# Altium PCB 电解模块主控板_V1.1_ZM_20211015.PcbDoc (part 3 of 3)
Units mil, origin at the board's own origin, x right, y up, seen from the top; angles counter-clockwise.
Board outline 5915.54 x 3947.37 mil, 2 copper layers (Top Layer, Bottom Layer); 222 components, 167 nets, 677 pads, 2045 vias.
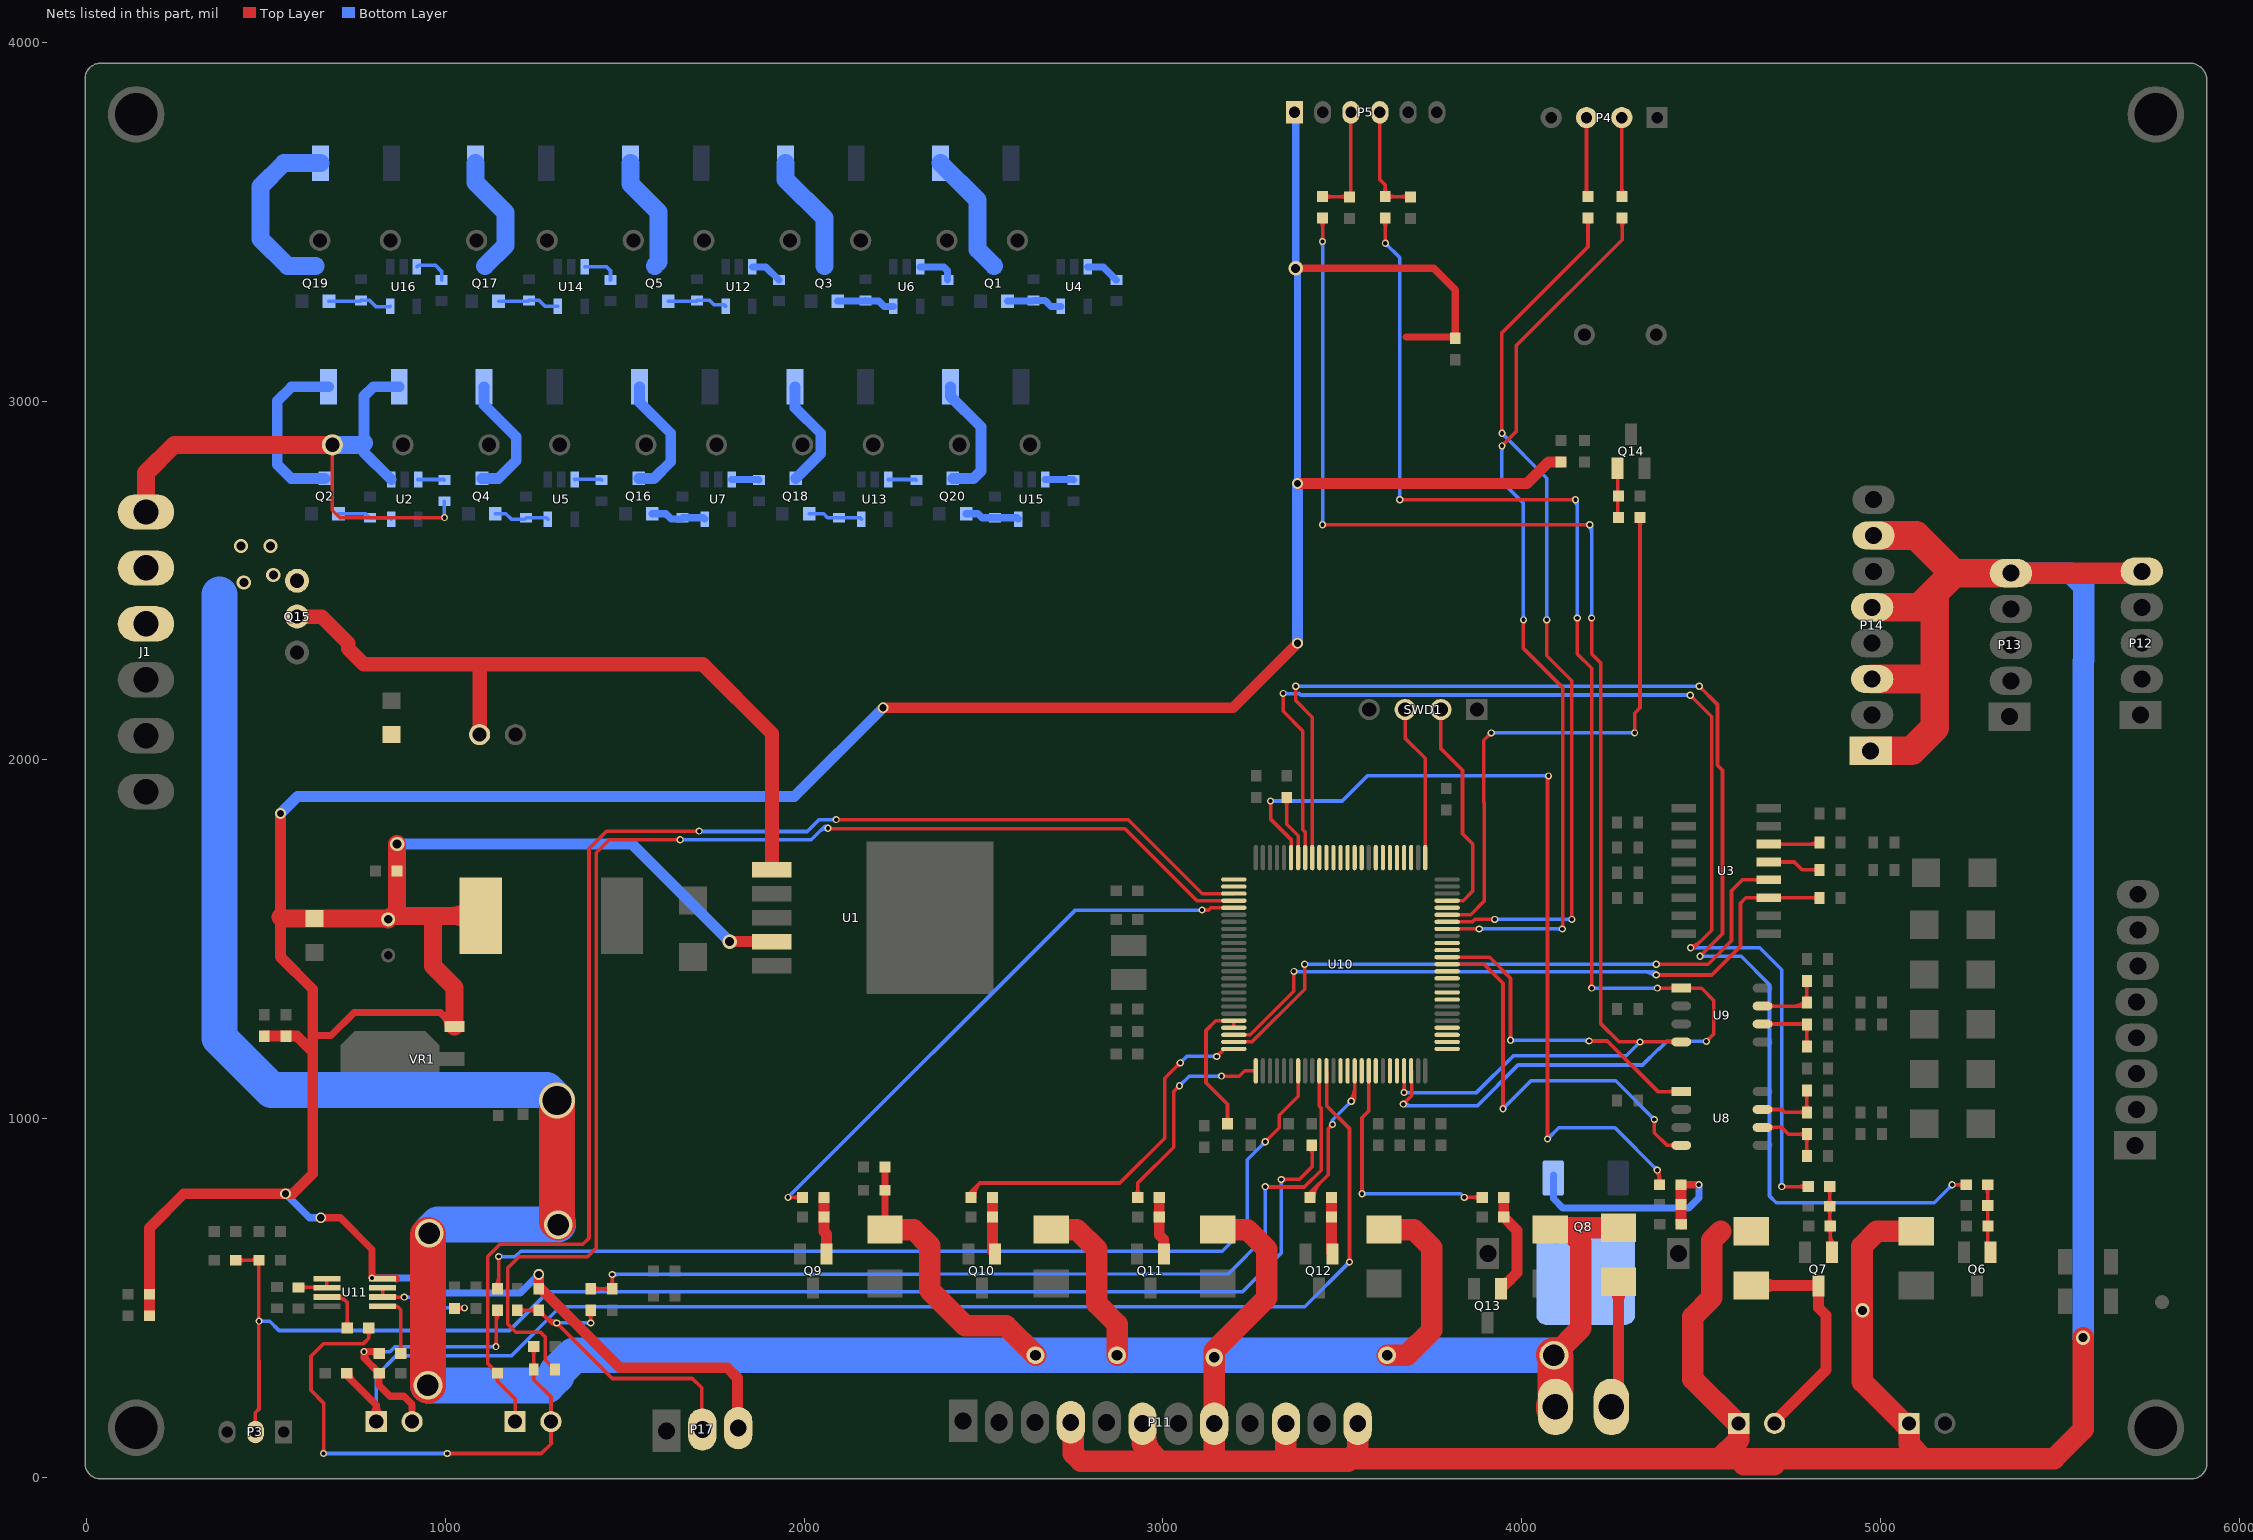
[diagram p3: the nets of this part, all layers, seen from the top]

## Via types
v1: diameter 30, hole 20, Top Layer to Bottom Layer, tented both sides, 1838 vias
v2: diameter 20, hole 12, Top Layer to Bottom Layer, tented both sides, 135 vias
v3: diameter 40, hole 25, Top Layer to Bottom Layer, tented both sides, 63 vias
v4: diameter 80, hole 60, Top Layer to Bottom Layer, tented both sides, 4 vias
v5: diameter 50, hole 30, Top Layer to Bottom Layer, tented both sides, 4 vias
v6: diameter 100, hole 80, Top Layer to Bottom Layer, tented both sides, 1 vias

## Nets (pads, with @x,y where several pads share a name; then routed paths per layer and width w, separated by ;. In a path a pad name is that pad's centre, name@x,y a point inside that pad or via, vN(x,y) a via of type N, cw(c..) or ccw(c..) an arc to the next point about the centre after c; other vN are vias at no path point) (continued)
NetD7_1: D7.1 P9.2 Q7.3 | length 731.8
  Top Layer w30: D7.1@4640,534.61 4825.65,534.61 Q7.3@4827.5,532.76 4827.5,472.5 4848.75,451.25 4848.75,298.75 4705,155 P9.2@4705,150 ; D7.1@4667.07,517.37 cw(c4708.68,475.77) 4708.68,534.61 cw(c4708.68,593.44) D7.1@4667.07,551.84
NetD8_1: D8.1 P10.2 Q8.3 | length 510.4
  Top Layer w30: P10.2@4225,155 4225,204 4270,249 D8.1@4270,544.61 D8.1@4276.85,537.76 ; D8.1@4252.77,527.37 cw(c4211.17,485.77) 4270,485.77 cw(c4328.83,485.77) D8.1@4287.23,527.37
NetL3_2: L3.2 U10.21 U10.22 | length 431.6
  Top Layer w10: L3.2@3172.93,992.82 ccw(c3155.86,1009.89) 3180,1009.89 ccw(c3204.14,1009.89) L3.2@3187.07,992.82 ; L3.2@3180,985 3180,1040 3120,1100 3120,1245 3147.52,1272.52 U10.21@3197.76,1272.52 U10.22@3197.76,1252.83
NetP1_1: P1.1 TVS5.2 U10.36 | length 3834.1
  Top Layer w10: U10.36@3455.63,1132.76 3457,1131.39 3457,1035 3520,972 v2(3520,600) ; v2@3516.46,603.54 ccw(c3507.93,612.07) 3520,612.07 ccw(c3532.07,612.07) v2@3523.54,603.54
  Top Layer w20: TVS5.2@725,290 725,283 807,201 ; TVS5.2@730.75,290 ccw(c761.52,290) 739.76,268.24 ; P1.1@793.44,169.05 ccw(c762.59,201) 807,201 ; P1.1@807,155 807,201 ; P1.1@820.56,169.05 cw(c851.41,201) 807,201
  Bottom Layer w10: P1.1@807,155 807,283 862,338 1183,338 1320,475 3395,475 v2(3520,600) ; v2@3515,600 cw(c3502.93,600) 3511.46,591.46 cw(c3520,582.93) v2@3520,595
NetP1_2: P1.2 R14.2 R16.1 TVS6.2 | length 945.9
  Top Layer w10: v2@1137.46,367.54 ccw(c1128.93,376.07) 1141,376.07 ccw(c1153.07,376.07) v2@1144.54,367.54 ; R14.2@1137.93,457.18 cw(c1130.51,449.77) R14.2@1141,449.77 ; v2(1141,364) 1141,461 R14.2@1145,465 ; 1141,430.45 cw(c1178.8,430.45) R14.2@1152.07,457.18
  Top Layer w20: 785.73,319.27 cw(c816.46,350) v2(773,350) ; 790.11,350 cw(c790.11,320.86) R16.1@810.72,341.46 ; R16.1@815,345 810,350 v2(773,350) ; P1.2@907,155 907,203 884.5,225.5 845.15,225.5 815,255.65 TVS6.2@815,290 773,332 v2(773,350)
  Bottom Layer w10: v2(773,350) 845,350 859,364 v2(1141,364) ; v2@776.54,346.46 cw(c785.07,337.93) 785.07,350 cw(c785.07,362.07) v2@776.54,353.54 ; v2@1137.46,360.46 ccw(c1128.93,351.93) 1128.93,364 ccw(c1128.93,376.07) v2@1137.46,367.54
NetP2_1: P2.1 TVS7.2 U10.3 | length 3902.4
  Top Layer w10: TVS7.2@1138.18,282.69 cw(c1123.55,267) 1145,267 ; TVS7.2@1151.82,282.69 ccw(c1166.45,267) 1145,267 ; P2.1@1194,155 1194,218 1145,267 ; v2@1703.46,1797.46 ccw(c1694.93,1788.93) 1694.93,1801 ccw(c1694.93,1813.07) v2@1703.46,1804.54 ; v2(1707,1801) 1449,1801 1400,1752 1400,666 1383,649 1152,649 1118,615 1118,317 TVS7.2@1145,290 1145,267 ; v2(2089,1833) 2903,1833 3109.15,1626.85 U10.3@3197.76,1626.85 ; v2@2092.54,1829.46 cw(c2101.07,1820.93) 2101.07,1833 cw(c2101.07,1845.07) v2@2092.54,1836.54
  Bottom Layer w10: v2(1707,1801) 1708,1800 2008,1800 2041,1833 v2(2089,1833) ; v2@1710.54,1804.54 ccw(c1721.49,1815.49) 1721.49,1800 ; v2@2085.46,1829.46 ccw(c2076.93,1820.93) 2076.93,1833 ccw(c2076.93,1845.07) v2@2085.46,1836.54
NetP2_2: P2.2 R23.2 R25.1 TVS12.2 | length 1652.2
  Top Layer w10: v2@656.46,69.54 ccw(c647.93,78.07) 660,78.07 ccw(c672.07,78.07) v2@663.54,69.54 ; v2(660,66) 660,207 625,242 625,337 660.5,372.5 771.5,372.5 786,387 R25.1@786,416 ; R25.1@778.93,408.93 cw(c761.86,391.86) 786,391.86 cw(c810.14,391.86) R25.1@793.07,408.93 ; v2(1005,66) 1267,66 1296,95 1294,97 P2.2@1294,155 1294,223.94 1245.94,272 R23.2@1245.94,300 ; v2@1008.54,62.46 cw(c1017.07,53.93) 1017.07,66 cw(c1017.07,78.07) v2@1008.54,69.54 ; TVS12.2@1238.93,356.93 cw(c1221.86,339.86) 1246,339.86 cw(c1270.14,339.86) TVS12.2@1253.07,356.93 ; R23.2@1239.74,290.84 cw(c1224.75,275.85) 1245.94,275.85 cw(c1267.14,275.85) R23.2@1252.15,290.84 ; R23.2@1239.74,309.16 ccw(c1224.62,324.28) 1246,324.28 ; R23.2@1246,300 TVS12.2@1246,364 ; 1246,324.02 ccw(c1267.01,324.02) R23.2@1252.15,309.16
  Bottom Layer w10: v2(660,66) v2(1005,66) ; v2@663.54,62.46 cw(c672.07,53.93) 672.07,66 cw(c672.07,78.07) v2@663.54,69.54 ; v2@1001.46,62.46 ccw(c992.93,53.93) 992.93,66 ccw(c992.93,78.07) v2@1001.46,69.54
NetP3_2: P3.2 R6.2 R8.1 TVS2.2 | length 4016.2
  Top Layer w10: TVS2.2@415,605 R6.2@480,605 479,604 479,326.16 480,325.16 480,190 470,180 P3.2@470,126 ; TVS2.2@422.82,597.93 cw(c439.89,580.86) 439.89,605 cw(c439.89,629.14) TVS2.2@422.82,612.07 ; 455.11,605 ccw(c455.11,629.14) R6.2@472.18,612.07 ; v2(3330,830) 3380,830 3416,866 3416,924 R8.1@3415,925 ; v2@3333.54,826.46 cw(c3342.07,817.93) 3342.07,830 cw(c3342.07,842.07) v2@3333.54,833.54 ; R8.1@3407.93,917.18 cw(c3388.44,897.7) 3416,897.7 ; 3416,902.52 cw(c3436.73,902.52) R8.1@3422.07,917.18
  Bottom Layer w10: v2(480,435) 510,435 536,409 1178.5,409 1287,517.5 3222.5,517.5 3330,625 v2(3330,830) ; v2@483.54,431.46 cw(c492.07,422.93) 492.07,435 cw(c492.07,447.07) v2@483.54,438.54 ; v2@3326.46,826.46 cw(c3317.93,817.93) 3330,817.93 cw(c3342.07,817.93) v2@3333.54,826.46
NetP4_2: P4.2 R11.1 | length 258.2
  Top Layer w10: R11.1@4272.93,3577.82 ccw(c4257.76,3592.99) 4279.21,3592.99 ; 4279.21,3596.79 ccw(c4306.04,3596.79) R11.1@4287.07,3577.82 ; P4.2@4279.21,3790 4279.21,3570.79 R11.1@4280,3570
NetP4_3: P4.3 R9.1 | length 221.7
  Top Layer w10: P4.3@4180.79,3790 4180.79,3574.21 R9.1@4185,3570
NetP5_3: P5.3 R10.1 TVS3.2 | length 388.7
  Top Layer w10: R10.1@3445,3570 3519,3570 TVS3.2@3520,3569 3524.04,3573.04 P5.3@3524.04,3804.75 ; R10.1@3452.07,3562.93 cw(c3469.14,3545.86) 3469.14,3570 cw(c3469.14,3594.14) R10.1@3452.07,3577.07 ; 3495.25,3570 cw(c3495.25,3545) TVS3.2@3512.93,3562.68 ; 3496.47,3570 ccw(c3496.47,3593.28) TVS3.2@3512.93,3576.82
NetP5_4: P5.4 R12.1 TVS4.2 | length 425.3
  Top Layer w10: P5.4@3604.75,3804.75 3604.75,3617.46 3619.21,3603 3619.21,3570.79 R12.1@3620,3570 3689,3570 TVS4.2@3690,3569 ; R12.1@3612.93,3577.82 ccw(c3597.76,3592.99) 3619.21,3592.99 ; 3619.21,3596.79 ccw(c3646.04,3596.79) R12.1@3627.07,3577.82 ; R12.1@3627.07,3562.93 cw(c3644.14,3545.86) 3644.14,3570 cw(c3644.14,3594.14) R12.1@3627.07,3577.07 ; 3665.25,3570 cw(c3665.25,3545) TVS4.2@3682.93,3562.68 ; 3666.47,3570 ccw(c3666.47,3593.28) TVS4.2@3682.93,3576.82
NetP17_2: P17.2 R19.1 R50.2 TVS11.2 | length 1124.8
  Top Layer w10: TVS11.2@1200,465 R50.2@1260,465 1295,430 v2(1310,430) 1465,275 1688,275 1714,249 P17.2@1714,161.06 ; TVS11.2@1207.07,457.93 cw(c1224.14,440.86) 1224.14,465 cw(c1224.14,489.14) TVS11.2@1207.07,472.07 ; R50.2@1252.93,457.93 ccw(c1235.86,440.86) 1235.86,465 ccw(c1235.86,489.14) R50.2@1252.93,472.07 ; R50.2@1260,454.25 cw(c1260,428.3) 1278.35,446.65 ; R50.2@1270,464.25 ccw(c1292.34,464.25) 1276.54,448.46 ; 1275.86,449.14 ccw(c1310,483.28) v2@1310,435 ; 1292.93,432.07 ccw(c1310,449.14) 1310,425 cw(c1310,412.93) 1318.54,421.46 cw(c1327.07,430) v2@1315,430 ; v2@1306.46,426.46 ccw(c1297.93,417.93) 1297.93,430 ccw(c1297.93,442.07) v2@1306.46,433.54 ; R19.1@1397.93,457.18 cw(c1380.86,440.11) 1405,440.11 cw(c1429.14,440.11) R19.1@1412.07,457.18 ; v2@1401.46,433.54 ccw(c1392.93,442.07) 1405,442.07 ccw(c1417.07,442.07) v2@1408.54,433.54 ; v2(1405,430) R19.1@1405,465
  Bottom Layer w10: v2(1310,430) v2(1405,430) ; v2@1313.54,426.46 cw(c1322.07,417.93) 1322.07,430 cw(c1322.07,442.07) v2@1313.54,433.54 ; v2@1401.46,426.46 ccw(c1392.93,417.93) 1392.93,430 ccw(c1392.93,442.07) v2@1401.46,433.54
NetQ1_1: Q1.1 R28.1 U4.5 | length 156.9
  Bottom Layer w20: Q1.1@2566.4,3278.53 2637.11,3278.53 R28.1@2639,3280.41 2671.59,3280.41 2688.24,3263.76 U4.5@2715.6,3263.76
NetQ1_3: Q1.3 R1.2 | length 347.7
  Bottom Layer w50: R1.2@2380.15,3663 2483,3560.15 2483,3422.95 Q1.3@2529,3376.95
NetQ2_1: Q2.1 R29.1 U2.5 | length 153.3
  Bottom Layer w10: Q2.1@701.4,2685.79 777.89,2685.79 R29.1@789,2674.67 844.95,2674.67 U2.5@848.6,2671.02
NetQ2_3: Q2.3 R13.2 | length 485.8
  Bottom Layer w30: Q2.3@664,2784.21 569.79,2784.21 531,2823 531,3000 571,3040 R13.2@674.15,3040
NetQ3_1: Q3.1 R66.1 U6.5 | length 162.2
  Bottom Layer w20: Q3.1@2093.55,3278.53 2168.36,3278.53 R66.1@2170.25,3280.41 2171.66,3279 2208,3279 2223.24,3263.76 U6.5@2248.1,3263.76
NetQ3_3: Q3.3 R30.2 | length 330.8
  Bottom Layer w50: R30.2@1948.11,3663 1948.11,3617.89 2056.15,3509.85 Q3.3@2056.15,3376.95
NetQ4_1: Q4.1 R67.1 U5.5 | length 155.9
  Bottom Layer w10: Q4.1@1138.9,2685.79 1168.21,2685.79 1183,2671 1221.08,2671 R67.1@1224.75,2674.67 1281.95,2674.67 U5.5@1285.6,2671.02
NetQ4_3: Q4.3 R53.2 | length 359.1
  Bottom Layer w30: Q4.3@1101.5,2784.21 1147.21,2784.21 1197,2834 1197,2900 1107.61,2989.39 R53.2@1107.61,3040
NetQ5_1: Q5.1 R89.1 U12.5 | length 167.6
  Bottom Layer w10: Q5.1@1620.7,3278.53 1699.61,3278.53 R89.1@1701.5,3280.41 1736.59,3280.41 1748,3269 1775.36,3269 U12.5@1780.6,3263.76
NetQ5_3: Q5.3 R68.2 | length 322.8
  Bottom Layer w50: R68.2@1516.07,3663 1516.07,3604.93 1594,3527 1594,3387.65 Q5.3@1583.3,3376.95
NetQ6_1: Q6.1 R31.1 R34.1 TVS8.2 | length 229.2
  Top Layer w10: R31.1@5291.93,807.93 cw(c5274.86,790.86) 5299,790.86 cw(c5323.14,790.86) R31.1@5306.07,807.93 ; R31.1@5299,815 R34.1@5299,757.5 5299,635.65 Q6.1@5307.4,627.24
NetQ7_1: Q7.1 R32.1 R35.1 TVS9.2 | length 435.7
  Top Layer w10: R35.1@4851.93,747.93 cw(c4834.86,730.86) 4859,730.86 cw(c4883.14,730.86) R35.1@4866.07,747.93 ; R35.1@4851.93,762.07 ccw(c4834.86,779.14) 4859,779.14 ccw(c4883.14,779.14) R35.1@4866.07,762.07 ; R32.1@4851.93,802.93 cw(c4834.86,785.86) 4859,785.86 cw(c4883.14,785.86) R32.1@4866.07,802.93 ; TVS9.2@4852.18,707.07 ccw(c4835.72,723.53) 4859,723.53 ; TVS9.2@4852.93,692.93 cw(c4835.86,675.86) 4860,675.86 cw(c4884.14,675.86) TVS9.2@4867.07,692.93 ; Q7.1@4856.61,648.34 ccw(c4848.41,656.53) Q7.1@4860,656.53 ; 4859,724.75 ccw(c4884,724.75) TVS9.2@4866.32,707.07 ; R32.1@4859,810 R35.1@4859,755 4859,701 TVS9.2@4860,700 4860,632.15 Q7.1@4864.9,627.24 ; Q7.1@4860,656.05 ccw(c4880.92,656.05) Q7.1@4866.13,641.26 ; 4860,680.2 ccw(c4905.06,680.2) Q7.1@4873.2,648.34
NetQ8_1: Q8.1 R33.1 R36.1 TVS10.2 | length 691.1
  Top Layer w20: R33.1@4444,815 v2(4494,815)
  Top Layer w30: R33.1@4444,815 R36.1@4444,760 4444,706 TVS10.2@4445,705
  Bottom Layer w20: Q8.1@4088.45,842.65 4088.45,776.55 4115,750 4465,750 4494,779 v2(4494,815)
NetQ9_1: Q9.1 R37.1 R42.1 | length 160.8
  Top Layer w30: R37.1@2055,780 R42.1@2055,725 2055,685 2062.4,677.6 Q9.1@2062.4,622.24
NetQ10_1: Q10.1 R38.1 R43.1 | length 184
  Top Layer w30: 2525,657.09 ccw(c2554.45,657.09) Q10.1@2533.63,636.26 ; R38.1@2525,780 R43.1@2525,725 2525,629.65 Q10.1@2532.4,622.24
NetQ11_1: Q11.1 R39.1 R44.1 | length 162.9
  Top Layer w30: R39.1@2990,780 R44.1@2990,725 2990,675 3002.4,662.6 Q11.1@3002.4,622.24
NetQ12_1: Q12.1 R40.1 R45.1 | length 158.8
  Top Layer w30: R40.1@3470,780 R45.1@3470,725 3470,624.65 Q12.1@3472.4,622.24
NetQ13_1: Q13.1 R41.1 R46.1 | length 316.1
  Top Layer w30: Q13.1@3942.4,525.24 3987,569.84 3987,688 R46.1@3950,725 R41.1@3950,780 ; Q13.1@3942.4,539.77 ccw(c3942.4,574.84) 3967.2,550.04
NetQ14_1: Q14.1 R57.2 R59.1 | length 138.8
  Top Layer w10: Q14.1@4267.6,2812.76 4267.6,2677.4 R57.2@4270,2675
NetQ16_1: Q16.1 R90.1 U7.5 | length 155.4
  Bottom Layer w20: Q16.1@1576.4,2685.79 1614.21,2685.79 1629,2671 1656.83,2671 R90.1@1660.5,2674.67 1718.95,2674.67 U7.5@1722.6,2671.02
NetQ16_3: Q16.3 R83.2 | length 353.4
  Bottom Layer w30: Q16.3@1539,2784.21 1581.21,2784.21 1628,2831 1628,2910 1541.07,2996.93 R83.2@1541.07,3040
NetQ17_1: Q17.1 R101.1 U14.5 | length 172.9
  Bottom Layer w10: Q17.1@1147.85,3278.53 1230.86,3278.53 R101.1@1232.75,3280.41 1261,3280.41 1277.65,3263.76 U14.5@1313.1,3263.76
NetQ17_3: Q17.3 R91.2 | length 343.8
  Bottom Layer w50: R91.2@1084.04,3663 1084.04,3608.96 1167,3526 1167,3433.5 Q17.3@1110.45,3376.95
NetQ18_1: Q18.1 R102.1 U13.5 | length 151.8
  Bottom Layer w10: Q18.1@2013.9,2685.79 2054.21,2685.79 2065,2675 2095.92,2675 R102.1@2096.25,2674.67 2155.95,2674.67 U13.5@2159.6,2671.02
NetQ18_3: Q18.3 R95.2 | length 314.3
  Bottom Layer w30: R95.2@1974.54,3040 1974.54,2981.46 2046.1,2909.9 2046.1,2853.81 Q18.3@1976.5,2784.21
NetQ19_1: Q19.1 R113.1 U16.5 | length 178.9
  Bottom Layer w10: Q19.1@675,3278.53 762.11,3278.53 R113.1@764,3280.41 788.59,3280.41 806,3263 844.83,3263 U16.5@845.6,3263.76
NetQ19_3: Q19.3 R103.2 | length 525.6
  Bottom Layer w50: Q19.3@637.6,3376.95 559.05,3376.95 484,3452 484,3598 549,3663 R103.2@652,3663
NetQ20_1: Q20.1 R114.1 U15.5 | length 151.3
  Bottom Layer w20: Q20.1@2451.4,2685.79 2484.21,2685.79 2495.33,2674.67 R114.1@2532,2674.67 2592.95,2674.67 U15.5@2596.6,2671.02
NetQ20_3: Q20.3 R107.2 | length 357.8
  Bottom Layer w30: R107.2@2408,3040 2408,3013 2493,2928 2493,2805 2472.21,2784.21 Q20.3@2414,2784.21
NetR9_2: R9.2 U10.69 | length 2675.4
  Top Layer w10: U10.69@3792.24,1548.11 3863.11,1548.11 3870,1555 v2(3925,1555) ; v2@3921.46,1551.46 ccw(c3912.93,1542.93) 3912.93,1555 ccw(c3912.93,1567.07) v2@3921.46,1558.54 ; v2@3941.46,2913.54 ccw(c3932.93,2922.07) 3945,2922.07 ccw(c3957.07,2922.07) v2@3948.54,2913.54 ; v2(3945,2910) 3945,3190 4185,3430 R9.2@4185,3510 ; v2@4066.46,2386.46 cw(c4057.93,2377.93) 4070,2377.93 cw(c4082.07,2377.93) v2@4073.54,2386.46 ; v2(4070,2390) 4070,2290 4140,2220 v2(4140,1555) ; v2@4136.46,1558.54 ccw(c4127.93,1567.07) 4140,1567.07 ccw(c4152.07,1567.07) v2@4143.54,1558.54 ; R9.2@4177.93,3502.18 cw(c4160.86,3485.11) 4185,3485.11 cw(c4209.14,3485.11) R9.2@4192.07,3502.18
  Bottom Layer w10: v2(3925,1555) v2(4140,1555) ; v2@3928.54,1551.46 cw(c3937.07,1542.93) 3937.07,1555 cw(c3937.07,1567.07) v2@3928.54,1558.54 ; v2@3945,2905 cw(c3945,2892.93) 3953.54,2901.46 cw(c3962.07,2910) v2@3950,2910 ; v2(3945,2910) 4070,2785 v2(4070,2390) ; v2@4066.46,2393.54 ccw(c4057.93,2402.07) 4070,2402.07 ccw(c4082.07,2402.07) v2@4073.54,2393.54 ; v2@4136.46,1551.46 ccw(c4127.93,1542.93) 4127.93,1555 ccw(c4127.93,1567.07) v2@4136.46,1558.54
NetR11_2: R11.2 U10.68 | length 2696.9
  Top Layer w10: U10.68@3792.24,1528.43 v2(3881.57,1528.43) ; v2@3878.04,1524.89 ccw(c3869.5,1516.35) 3869.5,1528.43 ccw(c3869.5,1540.5) v2@3878.04,1531.96 ; v2(3945,2875) 3985,2915 3985,3155 4280,3450 R11.2@4280,3510 ; v2@3945,2880 ccw(c3945,2892.07) 3953.54,2883.54 ccw(c3962.07,2875) v2@3950,2875 ; v2@4001.46,2386.46 cw(c3992.93,2377.93) 4005,2377.93 cw(c4017.07,2377.93) v2@4008.54,2386.46 ; v2(4005,2390) 4005,2310 4115,2200 4115,1530 v2(4113.43,1528.43) ; v2@4109.89,1531.96 ccw(c4097.55,1544.3) 4115,1544.3 ; R11.2@4272.93,3502.18 cw(c4255.86,3485.11) 4280,3485.11 cw(c4304.14,3485.11) R11.2@4287.07,3502.18
  Bottom Layer w10: v2(3881.57,1528.43) v2(4113.43,1528.43) ; v2@3885.11,1524.89 cw(c3893.65,1516.35) 3893.65,1528.43 cw(c3893.65,1540.5) v2@3885.11,1531.96 ; v2@3941.46,2871.46 cw(c3932.93,2862.93) 3945,2862.93 cw(c3957.07,2862.93) v2@3948.54,2871.46 ; v2(3945,2875) 3945,2775 4005,2715 v2(4005,2390) ; v2@4001.46,2393.54 ccw(c3992.93,2402.07) 4005,2402.07 ccw(c4017.07,2402.07) v2@4008.54,2393.54 ; v2@4109.89,1524.89 ccw(c4101.35,1516.35) 4101.35,1528.43 ccw(c4101.35,1540.5) v2@4109.89,1531.96
NetR14_1: R14.1 U10.32 | length 2818.7
  Top Layer w10: R14.1@1137.93,532.82 ccw(c1113.62,557.13) 1148,557.13 ; v2@1144.46,611.46 cw(c1135.93,602.93) 1148,602.93 cw(c1160.07,602.93) v2@1151.54,611.46 ; R14.1@1145,525 1148,528 v2(1148,615) ; 1148,542.65 ccw(c1161.9,542.65) R14.1@1152.07,532.82 ; v2(3285,935) 3324,974 3324,1009 3376.89,1061.89 U10.32@3376.89,1132.76 ; v2@3285,940 ccw(c3285,952.07) 3293.54,943.54 ccw(c3302.07,935) v2@3290,935
  Bottom Layer w10: v2(1148,615) 1195,615 1210,630 3165,630 3235,700 3235,885 v2(3285,935) ; v2@1151.54,611.46 cw(c1160.07,602.93) 1160.07,615 cw(c1160.07,627.07) v2@1151.54,618.54 ; v2@3280,935 cw(c3267.93,935) 3276.46,926.46 cw(c3285,917.93) v2@3285,930
NetR16_2: R16.2 U11.5 | length 230.9
  Top Layer w10: U11.5@824.76,476.61 865.39,476.61 875,467 R16.2@875,345 ; U11.5@855.44,473.98 cw(c861.05,461.18) 870.94,471.06 ; R16.2@867.93,352.07 ccw(c850.86,369.14) 875,369.14 ccw(c899.14,369.14) R16.2@882.07,352.07
NetR18_2: R18.2 U11.6 U11.7 | length 371.1
  Top Layer w10: U11.6@824.76,502.2 U11.7@824.76,527.8 ; 862.76,502.2 862.96,502 v2(885,502) ; v2@881.46,498.46 ccw(c872.93,489.93) 872.93,502 ccw(c872.93,514.07) v2@881.46,505.54 ; R18.2@1025,470 1027,472 v2(1053,472) ; R18.2@1032.07,463.68 cw(c1052.16,443.58) v2@1052.16,472 ; R18.2@1032.07,477.82 ccw(c1046.12,491.87) v2@1046.12,472 ; v2@1049.46,468.46 ccw(c1040.93,459.93) 1040.93,472 ccw(c1040.93,484.07) v2@1049.46,475.54
  Bottom Layer w10: v2(885,502) 957.59,502 957.8,502.2 988,472 v2(1053,472) ; v2@888.54,498.46 cw(c897.07,489.93) 897.07,502 cw(c897.07,514.07) v2@888.54,505.54 ; v2@1049.46,468.46 ccw(c1040.93,459.93) 1040.93,472 ccw(c1040.93,484.07) v2@1049.46,475.54
NetR19_2: R19.2 R22.2 U10.35 | length 2735
  Top Layer w10: R19.2@1405,525 R22.2@1465,525 v2(1465,565) ; R19.2@1412.07,517.93 cw(c1429.14,500.86) 1429.14,525 cw(c1429.14,549.14) R19.2@1412.07,532.07 ; R22.2@1457.93,517.93 ccw(c1440.86,500.86) 1440.86,525 ccw(c1440.86,549.14) R22.2@1457.93,532.07 ; R22.2@1457.93,532.82 ccw(c1440.86,549.89) 1465,549.89 ccw(c1489.14,549.89) R22.2@1472.07,532.82 ; v2@1461.46,561.46 cw(c1452.93,552.93) 1465,552.93 cw(c1477.07,552.93) v2@1468.54,561.46 ; v2(3285,810) 3286,809 3394,809 3441,856 3441,1029 3435.94,1034.06 U10.35@3435.94,1132.76 ; v2@3288.54,813.54 ccw(c3299.49,824.49) 3299.49,809
  Bottom Layer w10: v2(1465,565) 3182.5,567.5 3285,670 v2@3285,805 ; v2@1468.54,561.47 cw(c1477.09,552.95) 1477.07,565.02 cw(c1477.05,577.09) v2@1468.53,568.54 ; v2@3281.46,806.46 cw(c3272.93,797.93) 3285,797.93 cw(c3297.07,797.93) v2@3288.54,806.46
NetR23_1: R23.1 U10.4 | length 3743.4
  Top Layer w10: R23.1@1305,300 1278,327 1278,391 1265,404 1196,404 1174,426 1174,584 1204,614 1395,614 1420,639 1420,1741 1456,1777 v2(1654,1777) ; v2@1650.46,1773.46 ccw(c1641.93,1764.93) 1641.93,1777 ccw(c1641.93,1789.07) v2@1650.46,1780.54 ; v2(2066,1809) 2067,1808 2894,1808 3094.83,1607.17 U10.4@3197.76,1607.17 ; v2@2069.54,1812.54 ccw(c2080.49,1823.49) 2080.49,1808
  Bottom Layer w10: v2(1654,1777) 2020,1777 2052,1809 v2(2066,1809) ; v2@1657.54,1773.46 cw(c1666.07,1764.93) 1666.07,1777 cw(c1666.07,1789.07) v2@1657.54,1780.54 ; 2045,1802 cw(c2056.03,1790.97) v2@2063.58,1804.62 ; 2054.4,1811.4 cw(c2062.72,1803.07) v2@2068.42,1813.38 ; v2@2062.46,1805.46 ccw(c2053.93,1796.93) 2053.93,1809 ccw(c2053.93,1821.07) v2@2062.46,1812.54
NetR24_2: R24.2 U11.1 U11.2 | length 147
  Top Layer w10: R24.2@590,529.06 U11.2@669.24,529.06 ; R24.2@599.16,522.85 cw(c614.15,507.86) 614.15,529.06 cw(c614.15,550.25) R24.2@599.16,535.26 ; 629.74,529.06 cw(c629.74,517.82) U11.2@637.68,525.76 ; U11.2@669.24,527.8 U11.2@669.24,529.06 ; U11.1@669.24,553.39 U11.2@669.24,529.06
NetR25_2: R25.2 U11.3 | length 218.5
  Top Layer w10: U11.3@669.24,502.2 710.8,502.2 726,487 R25.2@726,416 ; U11.3@698.77,499.33 cw(c698.77,463.36) 724.2,488.8 ; U11.3@699.87,499.55 cw(c705.83,485.22) 716.81,496.19 ; R25.2@718.93,423.07 ccw(c701.86,440.14) 726,440.14 ccw(c750.14,440.14) R25.2@733.07,423.07
NetR26_2: R26.2 U2.3 | length 74.2
  Bottom Layer w10: U2.3@923.4,2781.26 995.47,2781.26 R26.2@997,2779.73
NetR27_2: R27.2 U4.3 | length 94.7
  Bottom Layer w20: U4.3@2790.4,3374 2833.47,3374 R27.2@2870,3337.47
NetR31_2: R31.2 U10.92 | length 4009.9
  Top Layer w10: v2@3366.46,2201.46 cw(c3357.93,2192.93) 3370,2192.93 cw(c3382.07,2192.93) v2@3373.54,2201.46 ; v2(3370,2205) 3370,2165 3416.26,2118.74 U10.92@3416.26,1727.24 ; v2@4495,2200 cw(c4495,2187.93) 4503.54,2196.46 cw(c4512.07,2205) v2@4500,2205 ; v2(4495,2205) 4546,2154 4546,1985 4560,1971 4560,1515 v2(4497,1452) ; v2@4497,1457 ccw(c4497,1469.07) 4505.54,1460.54 ccw(c4514.07,1452) v2@4502,1452 ; v2(5200,815) R31.2@5239,815 ; v2@5203.54,811.46 cw(c5212.07,802.93) 5212.07,815 cw(c5212.07,827.07) v2@5203.54,818.54 ; R31.2@5231.18,807.93 ccw(c5214.11,790.86) 5214.11,815 ccw(c5214.11,839.14) R31.2@5231.18,822.07